# KiCad board GMWM Analysis Board.kicad_pcb (continued)
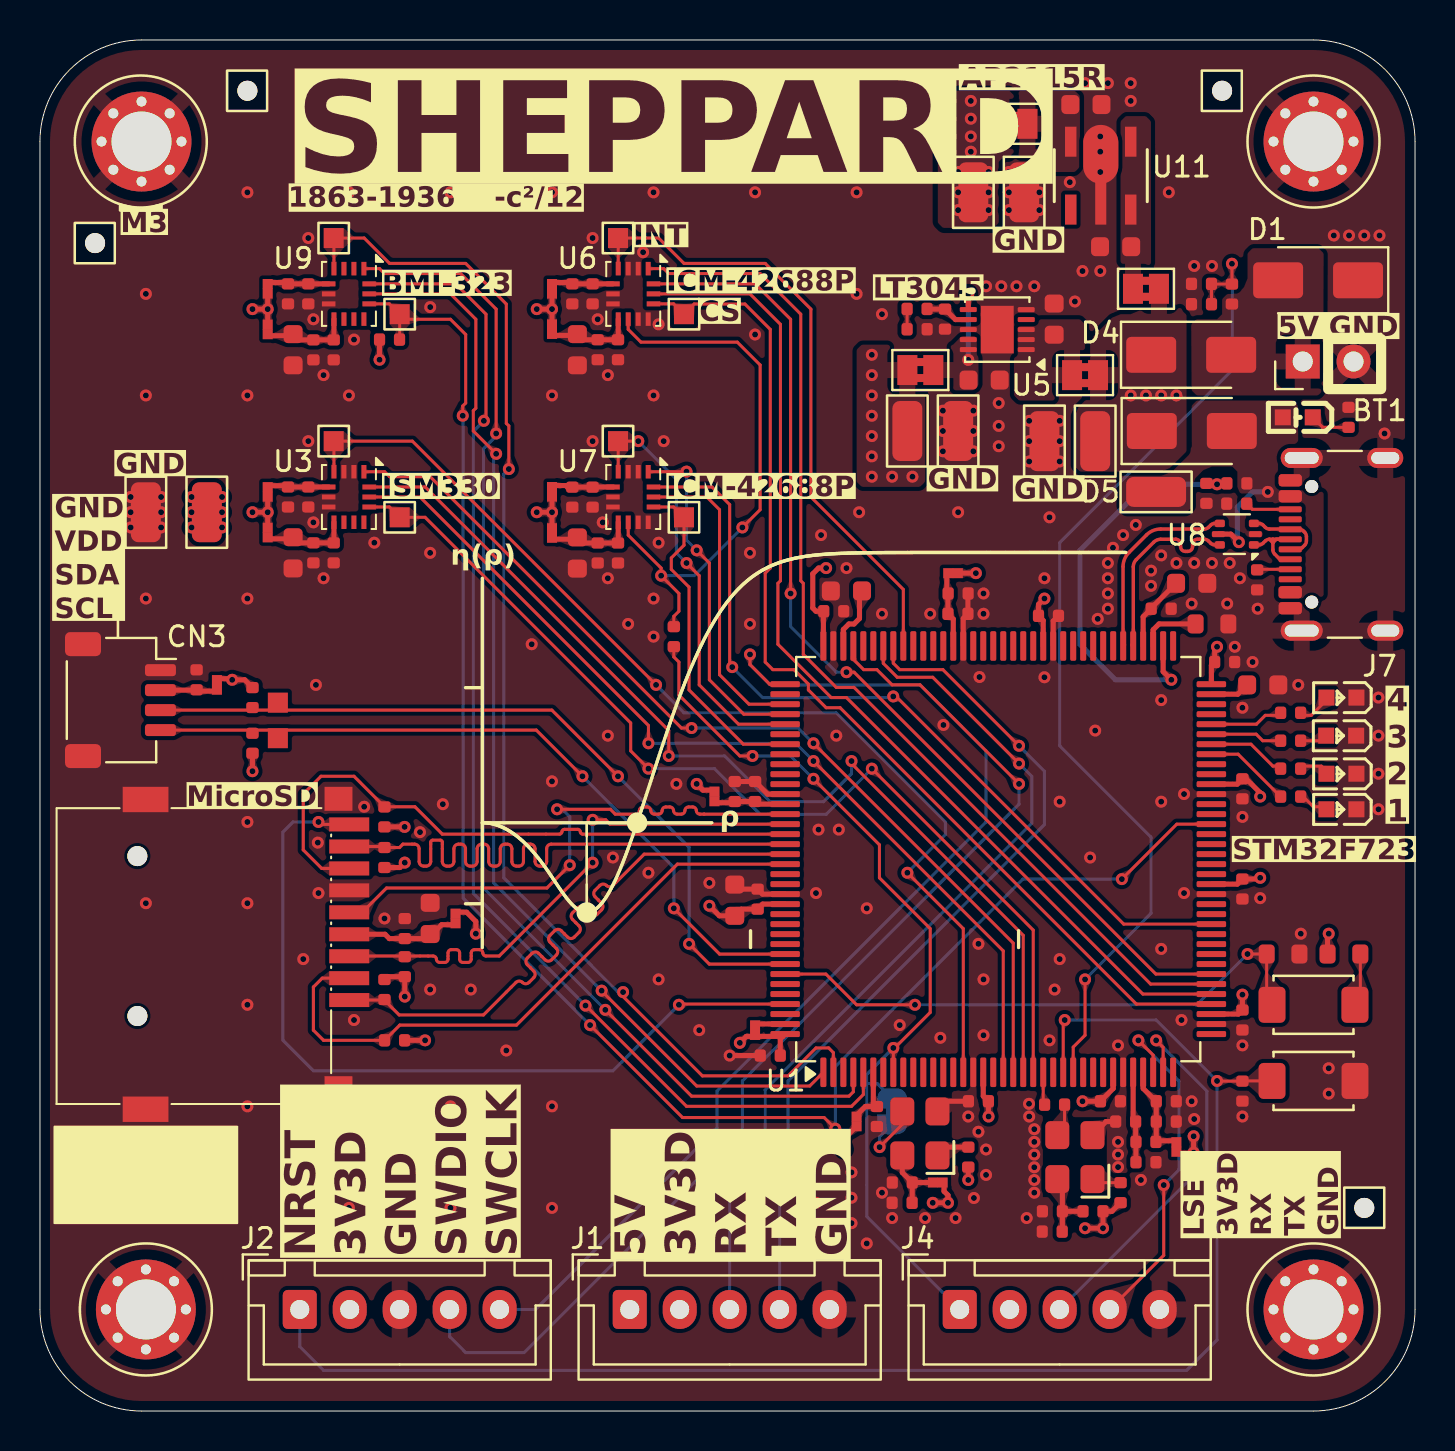
[diagram p0: board, top side]
## Library data of the parts (continued)
R10 = -: Datasheet: https://www.lcsc.com/datasheet/lcsc_datasheet_2205311900_UNI-ROYAL-Uniroyal-Elec-0402WGF2000TCE_C25087.pdf; Description: 62.5mW Thick Film Resistors 50V ±100ppm/°C ±1% 200Ω 0402 Chip Resistor - Surface Mount ROHS; LCSC: C25087; Stock: 581668; Price: 0.004USD; Process: SMT; Minimum Qty: 20; Attrition Qty: 10; Class: Basic Component; Category: Resistors,Chip Resistor - Surface Mount; Manufacturer: UNI-ROYAL(Uniroyal Elec); Part: 0402WGF2000TCE; Power(Watts): 62.5mW; Type: Thick Film Resistors; Overload Voltage (Max): 50V; Operating Temperature Range: -55°C~+155°C; Tolerance: ±1%; Temperature Coefficient: ±100ppm/°C; ki_fp_filters: R_*
R11 R12 = -: Datasheet: https://www.lcsc.com/datasheet/lcsc_datasheet_2206010045_UNI-ROYAL-Uniroyal-Elec-0402WGF5101TCE_C25905.pdf; Description: 62.5mW Thick Film Resistors 50V ±100ppm/°C ±1% 5.1kΩ 0402 Chip Resistor - Surface Mount ROHS; LCSC: C25905; Stock: 3534773; Price: 0.004USD; Process: SMT; Minimum Qty: 20; Attrition Qty: 10; Class: Basic Component; Category: Resistors,Chip Resistor - Surface Mount; Manufacturer: UNI-ROYAL(Uniroyal Elec); Part: 0402WGF5101TCE; Power(Watts): 62.5mW; Type: Thick Film Resistors; Overload Voltage (Max): 50V; Operating Temperature Range: -55°C~+155°C; Tolerance: ±1%; Temperature Coefficient: ±100ppm/°C; ki_fp_filters: R_*
R14 R15 R27 = -: Datasheet: https://www.lcsc.com/datasheet/lcsc_datasheet_2206010100_UNI-ROYAL-Uniroyal-Elec-0402WGF1003TCE_C25741.pdf; Description: 62.5mW Thick Film Resistors 50V ±100ppm/°C ±1% 100kΩ 0402 Chip Resistor - Surface Mount ROHS; LCSC: C25741; Stock: 6969783; Price: 0.004USD; Process: SMT; Minimum Qty: 20; Attrition Qty: 10; Class: Basic Component; Category: Resistors,Chip Resistor - Surface Mount; Manufacturer: UNI-ROYAL(Uniroyal Elec); Part: 0402WGF1003TCE; Power(Watts): 62.5mW; Type: Thick Film Resistors; Overload Voltage (Max): 50V; Operating Temperature Range: -55°C~+155°C; Tolerance: ±1%; Temperature Coefficient: ±100ppm/°C; ki_fp_filters: R_*
R16-R19 = -: Datasheet: https://www.lcsc.com/datasheet/lcsc_datasheet_2205311900_UNI-ROYAL-Uniroyal-Elec-0402WGF3300TCE_C25104.pdf; Description: 62.5mW Thick Film Resistors 50V ±100ppm/°C ±1% 330Ω 0402 Chip Resistor - Surface Mount ROHS; LCSC: C25104; Stock: 1159127; Price: 0.004USD; Process: SMT; Minimum Qty: 20; Attrition Qty: 10; Class: Basic Component; Category: Resistors,Chip Resistor - Surface Mount; Manufacturer: UNI-ROYAL(Uniroyal Elec); Part: 0402WGF3300TCE; Power(Watts): 62.5mW; Type: Thick Film Resistors; Overload Voltage (Max): 50V; Operating Temperature Range: -55°C~+155°C; Tolerance: ±1%; Temperature Coefficient: ±100ppm/°C; ki_fp_filters: R_*
R21-R25 = -: Datasheet: https://www.lcsc.com/datasheet/lcsc_datasheet_2206010100_UNI-ROYAL-Uniroyal-Elec-0402WGF4702TCE_C25792.pdf; Description: 62.5mW Thick Film Resistors 50V ±100ppm/°C ±1% 47kΩ 0402 Chip Resistor - Surface Mount ROHS; LCSC: C25792; Stock: 1792808; Price: 0.004USD; Process: SMT; Minimum Qty: 20; Attrition Qty: 10; Class: Basic Component; Category: Resistors,Chip Resistor - Surface Mount; Manufacturer: UNI-ROYAL(Uniroyal Elec); Part: 0402WGF4702TCE; Power(Watts): 62.5mW; Type: Thick Film Resistors; Overload Voltage (Max): 50V; Operating Temperature Range: -55°C~+155°C; Tolerance: ±1%; Temperature Coefficient: ±100ppm/°C; ki_fp_filters: R_*
R26 = -: Datasheet: https://www.lcsc.com/datasheet/lcsc_datasheet_2205311900_UNI-ROYAL-Uniroyal-Elec-0402WGF4700TCE_C25117.pdf; Description: 62.5mW Thick Film Resistors 50V ±100ppm/°C ±1% 470Ω 0402 Chip Resistor - Surface Mount ROHS; LCSC: C25117; Stock: 1007760; Price: 0.004USD; Process: SMT; Minimum Qty: 20; Attrition Qty: 10; Class: Basic Component; Category: Resistors,Chip Resistor - Surface Mount; Manufacturer: UNI-ROYAL(Uniroyal Elec); Part: 0402WGF4700TCE; Power(Watts): 62.5mW; Type: Thick Film Resistors; Overload Voltage (Max): 50V; Operating Temperature Range: -55°C~+155°C; Tolerance: ±1%; Temperature Coefficient: ±100ppm/°C; ki_fp_filters: R_*
R28 R29 = -: Datasheet: https://www.lcsc.com/datasheet/lcsc_datasheet_2206010045_UNI-ROYAL-Uniroyal-Elec-0402WGF4701TCE_C25900.pdf; Description: 62.5mW Thick Film Resistors 50V ±100ppm/°C ±1% 4.7kΩ 0402 Chip Resistor - Surface Mount ROHS; LCSC: C25900; Stock: 7644059; Price: 0.004USD; Process: SMT; Minimum Qty: 20; Attrition Qty: 10; Class: Basic Component; Category: Resistors,Chip Resistor - Surface Mount; Manufacturer: UNI-ROYAL(Uniroyal Elec); Part: 0402WGF4701TCE; Power(Watts): 62.5mW; Type: Thick Film Resistors; Overload Voltage (Max): 50V; Operating Temperature Range: -55°C~+155°C; Tolerance: ±1%; Temperature Coefficient: ±100ppm/°C; ki_fp_filters: R_*
S1 S2 = -: Datasheet: https://www.lcsc.com/datasheet/lcsc_datasheet_2304140030_XUNPU-TS-1088-AR02016_C720477.pdf; Description: Without 50mA 4mm 100MΩ 100000 Times 12V 160gf 3mm 2mm Round Button Standing paste SPST SMD Tactile Switches ROHS; LCSC: C720477; Stock: 346801; Price: 0.044USD; Process: SMT; Minimum Qty: 5; Attrition Qty: 4; Class: Basic Component; Category: Switches,Tactile Switches; Manufacturer: XUNPU; Part: TS-1088-AR02016; Switch Length: 4mm; Voltage Rating (Dc): 12V; With Lamp: No; Operating Force: 160gf@±50gf; Actuator/Cap Color: Black; Mechanical Life: 100000 Times; Strike Gundam: NO; Circuit: SPST; Switch Height: 2mm; Actuator Style: Round Button; Switch Width: 3mm; Contact Current: 50mA; Operating Temperature: -30°C~+80°C; Mounting Style: Brick nogging; Insulation Resistance: 100MΩ; Pin Style: SMDSplicing
TIE2-TIE21 = -: Specifications: DNP; Manufacturer: DNP; Part Number: Do Not Place
TP5-TP10 TP13 TP15 TP17 TP24-TP33 = -: Description: test point (alternative probe-style design); ki_fp_filters: Pin* Test*
U1 = -: Datasheet: https://www.st.com/resource/en/datasheet/stm32f723ze.pdf; Description: STMicroelectronics Arm Cortex-M7 MCU, 512KB flash, 256KB RAM, 216 MHz, 1.7-3.6V, 112 GPIO, LQFP144; KiLib_Generator: package/gullwing; LCSC: C1340305; ki_fp_filters: LQFP*20x20mm*P0.5mm*
U2 = -: Datasheet: https://wmsc.lcsc.com/wmsc/upload/file/pdf/v2/lcsc/2303281800_HCI-1532H4-32K768JWPDTSNL_C5383164.pdf; Description: -40℃~+85℃ 1.8V~3.3V 10mA 32.768kHz HCMOS ±10ppm ±15ppm SMD3225-4P Crystal Oscillators ROHS; LCSC: C5383164; Manufacturer: HCI
U3 = -: Datasheet: https://www.st.com/resource/en/datasheet/ism330dhcx.pdf; Description: iNEMO inertial module with embedded Machine Learning Core: always-on 3D accelerometer and 3D gyroscope with digital output for industrial applications, LGA-14; LCSC: C2655101; ki_fp_filters: *LGA*3x2.5mm*P0.5mm*LayoutBorder3x4y*
U5 = -: Datasheet: https://www.analog.com/media/en/technical-documentation/data-sheets/3045fa.pdf; Description: 500mA, Adjustable, Ultralow Noise, Ultrahigh PSRR Linear Regulator, DFN-10; KiLib_Generator: package/no_lead; LCSC: C514420; ki_fp_filters: DFN*1EP*3x3mm*P0.5mm*
U6 U7 = -: Datasheet: https://jlcpcb.com/api/file/downloadByFileSystemAccessId/8588902275431469056; Description: -40℃~+85℃ 1.71V~3.6V 16bit 2KB 7.5uA IMU (accelerometer + gyroscope) SPI、I2C X,Y,Z X,Y,Z ±16g ±2000dps Motion Event Detection, Synchronization, Timestamp Support LGA-14(2.5x3) Accelerometers ROHS; LCSC: C1850418; Manufacturer: TDK InvenSense
U8 = -: Datasheet: https://www.st.com/resource/en/datasheet/usblc6-2.pdf; Description: Very low capacitance ESD protection diode, 2 data-line, SOT-666; LCSC: C15999; ki_fp_filters: SOT?666*
U9 = -: Datasheet: https://www.lcsc.com/datasheet/lcsc_datasheet_2410121717_Bosch-Sensortec-BMI323_C5368700.pdf; Description: -40℃~+85℃ IMU (accelerometer + gyroscope) Motion event detection LGA-14 Accelerometers ROHS; LCSC: C5368700; Manufacturer: Bosch Sensortec
U11 = -: Datasheet: https://www.diodes.com/assets/Datasheets/AP2115.pdf; Description: SOT-89-5 3.3V 1A low dropout voltage regulator with enable, Alternate KiCad Library; LCSC: C460316
X1 = -: Datasheet: https://datasheet.lcsc.com/lcsc/2304140030_Abracon-LLC-ASDM1-24-000MHZ-LC-T_C1987235.pdf; Description: -40℃~+85℃ 24MHz 3.3V 7mA ±50ppm SMD2520-4P Programmable Oscillators ROHS; LCSC: C1987235; Manufacturer: Abracon LLC; Manufacturer Part: ASDM1-24.000MHZ-LC-T

## Footprints (pads in the part's own frame, mm; a bottom-side part is the same pattern mirrored in y, then rotated)
0603_Green_509-620mcd
  rect 0.8x0.8 smd: 1(-0.749,0) 2(0.749,0)
AP2115R5-3_3TRG1
  rect 1.5x0.574 smd: 1(1.697,-1.5) 3(1.697,1.5) 4(-1.697,1.5) 5(-1.697,-1.5)
  oval 2.94x1.76 smd: 2(-1.068,0)
  rect 2.209x0.552 smd: 2(1.343,0)
Bosch_LGA-14_3x2.5mm_P0.5mm
  rect 0.675x0.25 smd: 1(-1.262,0.75) 2(-1.262,0.25) 3(-1.262,-0.25) 4(-1.262,-0.75) 8(1.262,-0.75) 9(1.262,-0.25) 10(1.262,0.25) 11(1.262,0.75)
  rect 0.25x0.675 smd: 5(-0.5,-1.012) 6(0,-1.013) 7(0.5,-1.012) 12(0.5,1.012) 13(0,1.013) 14(-0.5,1.012)
C_0402
  rrect 0.56x0.62 smd: 1(-0.5,0) 2(0.5,0)
C_0603
  rrect 0.9x0.95 smd: 1(-0.78,0) 2(0.78,0)
D_SMA
  rrect 2.5x1.8 smd: 1(-2,0) 2(2,0)
DFN-10-1EP_3x3mm_P0.5mm_EP1.65x2.38mm
  rrect 0.67x0.96 smd: (-0.41,0.595) (-0.41,-0.595) (0.41,0.595) (0.41,-0.595)
  rrect 0.85x0.25 smd: 1(-1.45,1) 2(-1.45,0.5) 3(-1.45,0) 4(-1.45,-0.5) 5(-1.45,-1) 6(1.45,-1) 7(1.45,-0.5) 8(1.45,0) 9(1.45,0.5) 10(1.45,1)
  rect 1.65x2.38 smd: 11(0,0)
Hole, 3mm
  round 0.6 hole 0.5: 1(-2,0) 1(-1.41,1.41) 1(-1.41,-1.41) 1(0,2) 1(0,-2) 1(1.41,1.41) 1(1.41,-1.41) 1(2,0)
  round 5 hole 3: 1(0,0)
Hole_Tooling_JLCPCB
  round 1 hole 1.152 unplated: (0,0)
JST_SH_SM04B-SRSS-TB_1x04-1MP_P1.00mm_Horizontal
  rrect 0.6x1.55 smd: 1(-1.5,2) 2(-0.5,2) 3(0.5,2) 4(1.5,2)
  rrect 1.2x1.8 smd: 5(-2.8,-1.875) 6(2.8,-1.875)
JST_XH_B5B-XH-A_1x05_P2.50mm_Vertical
  rrect 1.7x1.95 hole 0.95: 1(0,0)
  oval 1.7x1.95 hole 0.95: 2(2.5,0) 3(5,0) 4(7.5,0) 5(10,0)
JUMPER_SMD_1x2_tiny_shorted
  rect 0.5x0.5 smd: 1(-0.24,0) 2(0.24,0)
KT-0603R
  rect 0.8x0.8 smd: 1(0.75,0) 2(-0.75,0)
LQFP-144_20x20mm_P0.5mm
  rrect 1.475x0.3 smd: 1(-10.662,8.75) 2(-10.662,8.25) 3(-10.663,7.75) 4(-10.662,7.25) 5(-10.662,6.75) 6(-10.662,6.25) 7(-10.662,5.75) 8(-10.662,5.25) 9(-10.662,4.75) 10(-10.662,4.25) 11(-10.662,3.75) 12(-10.662,3.25) 13(-10.662,2.75) 14(-10.662,2.25) 15(-10.662,1.75) 16(-10.663,1.25) 17(-10.662,0.75) 18(-10.662,0.25) 19(-10.662,-0.25) 20(-10.662,-0.75) 21(-10.663,-1.25) 22(-10.662,-1.75) 23(-10.662,-2.25) 24(-10.662,-2.75) 25(-10.662,-3.25) 26(-10.662,-3.75) 27(-10.662,-4.25) 28(-10.662,-4.75) 29(-10.662,-5.25) 30(-10.662,-5.75) 31(-10.662,-6.25) 32(-10.662,-6.75) 33(-10.662,-7.25) 34(-10.663,-7.75) 35(-10.662,-8.25) 36(-10.662,-8.75) 73(10.662,-8.75) 74(10.662,-8.25) 75(10.663,-7.75) 76(10.662,-7.25) 77(10.662,-6.75) 78(10.662,-6.25) 79(10.662,-5.75) 80(10.662,-5.25) 81(10.662,-4.75) 82(10.662,-4.25) 83(10.662,-3.75) 84(10.662,-3.25) 85(10.662,-2.75) 86(10.662,-2.25) 87(10.662,-1.75) 88(10.663,-1.25) 89(10.662,-0.75) 90(10.662,-0.25) 91(10.662,0.25) 92(10.662,0.75) 93(10.663,1.25) 94(10.662,1.75) 95(10.662,2.25) 96(10.662,2.75) 97(10.662,3.25) 98(10.662,3.75) 99(10.662,4.25) 100(10.662,4.75) 101(10.662,5.25) 102(10.662,5.75) 103(10.662,6.25) 104(10.662,6.75) 105(10.662,7.25) 106(10.663,7.75) 107(10.662,8.25) 108(10.662,8.75)
  rrect 0.3x1.475 smd: 37(-8.75,-10.662) 38(-8.25,-10.662) 39(-7.75,-10.663) 40(-7.25,-10.662) 41(-6.75,-10.662) 42(-6.25,-10.662) 43(-5.75,-10.662) 44(-5.25,-10.662) 45(-4.75,-10.662) 46(-4.25,-10.662) 47(-3.75,-10.662) 48(-3.25,-10.662) 49(-2.75,-10.662) 50(-2.25,-10.662) 51(-1.75,-10.662) 52(-1.25,-10.663) 53(-0.75,-10.662) 54(-0.25,-10.662) 55(0.25,-10.662) 56(0.75,-10.662) 57(1.25,-10.663) 58(1.75,-10.662) 59(2.25,-10.662) 60(2.75,-10.662) 61(3.25,-10.662) 62(3.75,-10.662) 63(4.25,-10.662) 64(4.75,-10.662) 65(5.25,-10.662) 66(5.75,-10.662) 67(6.25,-10.662) 68(6.75,-10.662) 69(7.25,-10.662) 70(7.75,-10.663) 71(8.25,-10.662) 72(8.75,-10.662) 109(8.75,10.662) 110(8.25,10.662) 111(7.75,10.663) 112(7.25,10.662) 113(6.75,10.662) 114(6.25,10.662) 115(5.75,10.662) 116(5.25,10.662) 117(4.75,10.662) 118(4.25,10.662) 119(3.75,10.662) 120(3.25,10.662) 121(2.75,10.662) 122(2.25,10.662) 123(1.75,10.662) 124(1.25,10.663) 125(0.75,10.662) 126(0.25,10.662) 127(-0.25,10.662) 128(-0.75,10.662) 129(-1.25,10.663) 130(-1.75,10.662) 131(-2.25,10.662) 132(-2.75,10.662) 133(-3.25,10.662) 134(-3.75,10.662) 135(-4.25,10.662) 136(-4.75,10.662) 137(-5.25,10.662) 138(-5.75,10.662) 139(-6.25,10.662) 140(-6.75,10.662) 141(-7.25,10.662) 142(-7.75,10.663) 143(-8.25,10.662) 144(-8.75,10.662)
OSC-SMD_4P-L3.2-W2.5-BL
  rrect 1.4x1.2 smd: 1(-1.1,-0.88) 2(1.1,-0.88) 3(1.1,0.88) 4(-1.1,0.88)
PinHeader_1x02_P2.54mm_Vertical
  rect 1.7x1.7 hole 1: 1(0,0)
  round 1.7 hole 1: 2(0,-2.54)
R_0402
  rrect 0.56x0.62 smd: 1(-0.5,0) 2(0.5,0)
R_0603
  rrect 0.8x0.95 smd: 1(-0.82,0) 2(0.82,0)
SolderJumper-2_P1.3mm_Bridged2Bar_Pad1.0x1.5mm
  rect 1x1.5 smd: 1(-0.65,0) 2(0.65,0)
SolderJumper-2_P1.3mm_Bridged2Bar_Pad1.0x1.5mm#2
  rect 1x1.5 smd: 1(-0.65,0) 2(0.65,0)
SolderJumper-2_P1.3mm_Bridged_RoundedPad1.0x1.5mm
  custom 1x1.5 smd: 1(-0.65,0) 2(0.65,0)
SolderWirePad_1x01_SMD_1.5x3mm
  rrect 1.5x3 smd: 1(0,0)
SOT-666
  rrect 0.5x0.375 smd: 1(-0.85,0.537) 3(-0.85,-0.537) 4(0.85,-0.537) 6(0.85,0.537)
  rrect 0.65x0.3 smd: 2(-0.925,0) 5(0.925,0)
SW_TS-1088-AR02016
  rrect 1.35x1.8 smd: 1(-2.075,0) 2(2.075,0)
TestPoint_Pad_04
  rect 1x1 smd: 1(0,0)
TF-015
  round 1 hole 1 unplated: (-4.897,-5.507) (3.103,-5.504)
  rect 0.7x2 smd: 1(2.303,5.095) 2(1.21,5.093) 3(0.113,5.095) 4(-0.986,5.095) 5(-2.085,5.095) 6(-3.183,5.095) 7(-4.28,5.095) 8(-5.378,5.095) 9(-6.482,5.095)
  rect 1.2x1.397 smd: SH(-7.765,4.557)
  rect 1.27x2.286 smd: SH(-7.729,-5.095) SH(7.765,-5.095)
  rect 1.778x1.397 smd: SH(7.003,4.557)
USB_C_Receptacle_GCT_USB4105-xx-A_16P_TopMnt_Horizontal
  round 0.65 hole 0.65 unplated: (-2.89,2.605) (2.89,2.605)
  rrect 0.6x1.15 smd: A1(-3.2,3.68) A4(-2.4,3.68) A9(2.4,3.68) A12(3.2,3.68) B1(3.2,3.68) B4(2.4,3.68) B9(-2.4,3.68) B12(-3.2,3.68)
  rrect 0.3x1.15 smd: A5(-1.25,3.68) A6(-0.25,3.68) A7(0.25,3.68) A8(1.25,3.68) B5(1.75,3.68) B6(0.75,3.68) B7(-0.75,3.68) B8(-1.75,3.68)
  oval 1x2.1 hole 0.6x1.7: SH(-4.32,3.105) SH(4.32,3.105)
  oval 1x1.8 hole 0.6x1.4: SH(-4.32,-1.075) SH(4.32,-1.075)

## Nets
+3V3: R20.1 TIE8.2 TIE9.2 TIE10.2 TIE11.2 TIE16.2 TIE18.2 TIE19.2 TIE20.2 TIE21.2 TP9.1 TP25.1
+3V3D: C22.1 C23.1 C24.1 C25.1 C26.1 C27.1 C28.1 C29.1 C30.1 C31.1 C33.1 J1.2 J2.2 J4.2 R2.2 R5.2 R7.1 R8.2 R21.1 R22.1 R23.1 R24.1 R25.1 R28.1 R29.1 TIE2.1 TIE3.1 TIE4.1 TIE5.2 TIE6.2 TIE7.1 TIE13.2 TIE14.2 TIE17.1 TP13.1 U1.17 U1.30 U1.39 U1.52 U1.62 U1.72 U1.86 U1.108 U1.131 U1.144
+5V: D4.1 D5.1 J1.1 TIE12.2 TIE15.2 TP7.1
/Connectors & Power/3V3_{AP2115}: C20.1 TIE13.1 U11.5
/Connectors & Power/3V3_{LT3045}: C13.1 TIE16.1 U5.6 U5.9 U5.10
/Connectors & Power/5V_{AP2115}: C18.1 TIE12.1 U11.3 U11.4
/Connectors & Power/5V_{LT3045}: C12.1 TIE15.1 U5.1 U5.2 U5.3
/Connectors & Power/5V_{VBAT}: BT1.1 D1.2 D4.2 R15.1
/Connectors & Power/VBUS: D5.2 J7.A4 J7.A9 J7.B4 J7.B9 LED6.1 R13.1 TP5.1 U8.5
/Connectors & Power/VDD_{I2C}: C15.1 CN3.2 TIE14.1
/MCU STM32F723/V12PHYHS: C2.1 C6.1 U1.76
/MCU STM32F723/VBAT: C41.1 TIE7.2 U1.6
/MCU STM32F723/VDD_HSE: C10.1 C11.1 R7.2 X1.4
/MCU STM32F723/VDD_LSE: C8.1 C9.1 TIE6.1 U2.4
/MCU STM32F723/VDD_{SD}: C16.1 C17.1 J3.4 TIE17.2
/MCU STM32F723/VDDA_MCU: C39.1 C40.1 R4.2 TIE2.2 U1.33
/MCU STM32F723/VDDSDMMC: C37.1 C38.1 TIE3.2 U1.121
/MCU STM32F723/VDDUSB: C35.1 C36.1 TIE4.2 U1.95
/Sensors/VDD_{BMI}: C54.1 C55.1 C56.1 TIE21.1 U9.8
/Sensors/VDD_{IMU1}: C21.1 C32.1 C34.1 TIE8.1 U6.8
/Sensors/VDD_{IMU2}: C44.1 C45.1 C46.1 TIE10.1 U7.8
/Sensors/VDD_{ISM}: C49.1 C50.1 C52.1 TIE18.1 U3.8
/Sensors/VDDIO_{BMI}: C53.1 C58.1 TIE20.1 U9.5
/Sensors/VDDIO_{IMU1}: C42.1 C43.1 TIE9.1 U6.5
/Sensors/VDDIO_{IMU2}: C47.1 C48.1 TIE11.1 U7.5
/Sensors/VDDIO_{ISM}: C51.1 C57.1 TIE19.1 U3.5
GND: BT1.2 C1.2 C2.2 C3.2 C4.2 C5.2 C6.2 C7.2 C8.2 C9.2 C10.2 C11.2 C12.2 C13.2 C14.2 C15.2 C16.2 C17.2 C18.2 C19.2 C20.2 C21.2 C22.2 C23.2 C24.2 C25.2 C26.2 C27.2 C28.2 C29.2 C30.2 C31.2 C32.2 C33.2 C34.2 C35.2 C36.2 C37.2 C38.2 C39.2 C40.2 C41.2 C42.2 C43.2 C44.2 C45.2 C46.2 C47.2 C48.2 C49.2 C50.2 C51.2 C52.2 C53.2 C54.2 C55.2 C56.2 C57.2 C58.2 CN3.1 CN3.5 CN3.6 D1.1 H5.1 H6.1 H7.1 H8.1 J1.5 J2.3 J3.6 J3.SH J4.5 J7.A1 J7.A12 J7.B1 J7.B12 J7.SH LED7.1 LED8.1 LED9.1 LED10.1 R1.2 R3.2 R10.2 R11.2 R12.2 R14.2 R26.2 R27.2 S1.2 TP6.1 TP8.1 TP10.1 TP24.1 U1.16 U1.31 U1.38 U1.51 U1.61 U1.85 U1.94 U1.107 U1.120 U1.130 U2.2 U3.2 U3.3 U3.6 U3.7 U5.5 U5.8 U5.11 U6.2 U6.3 U6.6 U6.7 U6.10 U6.11 U7.2 U7.3 U7.6 U7.7 U7.10 U7.11 U8.2 U9.6 U9.7 U11.2 X1.2
VBAT_{SENSE}: C19.1 R15.2 R27.1 U1.26
/Connectors & Power/CC_{1}: J7.A5 R11.1
/Connectors & Power/CC_{2}: J7.B5 R12.1
/Connectors & Power/SET: C14.1 R9.1 U5.7
/Connectors & Power/USB_DN: J7.A7 J7.B7 U8.1
/Connectors & Power/USB_DP: J7.A6 J7.B6 U8.3
/MCU STM32F723/BOOT0: R1.1 S2.1 U1.138
/MCU STM32F723/IN_HSE: R6.2 U1.23
/MCU STM32F723/IN_LSE_{RAW}: JP1.2 U2.3
/MCU STM32F723/OUT_HSE: R6.1 X1.3
/MCU STM32F723/PA2: U1.36
/MCU STM32F723/PA3: U1.37
/MCU STM32F723/PA11: U1.103
/MCU STM32F723/PA12: U1.104
/MCU STM32F723/PA15: U1.110
/MCU STM32F723/PB0: U1.46
/MCU STM32F723/PB1: U1.47
/MCU STM32F723/PB3: U1.133
/MCU STM32F723/PB4: U1.134
/MCU STM32F723/PB5: U1.135
/MCU STM32F723/PB8: U1.139
/MCU STM32F723/PB9: U1.140
/MCU STM32F723/PB10: U1.69
/MCU STM32F723/PB11: U1.70
/MCU STM32F723/PB12: U1.73
/MCU STM32F723/PC1: U1.27
/MCU STM32F723/PC2: U1.28
/MCU STM32F723/PC3: U1.29
/MCU STM32F723/PC4: U1.44
/MCU STM32F723/PC5: U1.45
/MCU STM32F723/PC6: U1.96
/MCU STM32F723/PC7: U1.97
/MCU STM32F723/PC8: U1.98
/MCU STM32F723/PC9: U1.99
/MCU STM32F723/PC13: U1.7
/MCU STM32F723/PC15: U1.9
/MCU STM32F723/PD0: U1.114
/MCU STM32F723/PD2: U1.116
/MCU STM32F723/PD3: U1.117
/MCU STM32F723/PD4: U1.118
/MCU STM32F723/PD5: U1.119
/MCU STM32F723/PD8: U1.79
/MCU STM32F723/PD9: U1.80
/MCU STM32F723/PD10: U1.81
/MCU STM32F723/PD11: U1.82
/MCU STM32F723/PD12: U1.83
/MCU STM32F723/PD13: U1.84
/MCU STM32F723/PD14: U1.87
/MCU STM32F723/PD15: U1.88
/MCU STM32F723/PDR_ON: TIE5.1 U1.143
/MCU STM32F723/PE1: U1.142
/MCU STM32F723/PE4: U1.3
/MCU STM32F723/PE8: U1.59
/MCU STM32F723/PE9: U1.60
/MCU STM32F723/PE10: U1.63
/MCU STM32F723/PE11: U1.64
/MCU STM32F723/PF0: U1.10
/MCU STM32F723/PF1: U1.11
/MCU STM32F723/PF2: U1.12
/MCU STM32F723/PF3: U1.13
/MCU STM32F723/PF4: U1.14
/MCU STM32F723/PF6: U1.18
/MCU STM32F723/PF11: U1.49
/MCU STM32F723/PF12: U1.50
/MCU STM32F723/PF13: U1.53
/MCU STM32F723/PF14: U1.54
/MCU STM32F723/PF15: U1.55
/MCU STM32F723/PG0: U1.56
/MCU STM32F723/PG1: U1.57
/MCU STM32F723/PG2: U1.89
/MCU STM32F723/PG3: U1.90
/MCU STM32F723/PG4: U1.91
/MCU STM32F723/PG5: U1.92
/MCU STM32F723/PG8: U1.93
/MCU STM32F723/PG13: U1.128
/MCU STM32F723/PG14: U1.129
/MCU STM32F723/PG15: U1.132
/MCU STM32F723/PH1: U1.24
/MCU STM32F723/REXTPHYHS: R3.1 U1.75
/MCU STM32F723/VCAP_1: C5.1 U1.71
/MCU STM32F723/VCAP_2: C4.1 U1.106
/MCU STM32F723/VREF+: C3.1 C7.1 R4.1 U1.32
CD: J3.9 U1.141
CLK_{SD}: J3.5 U1.122
CMD: J3.3 R23.2 U1.123
CS_{1}: TP29.1 U1.40 U6.12
CS_{2}: TP28.1 U1.115 U7.12
CS_{3}: TP30.1 U1.22 U3.12
CS_{4}: R20.2 TP31.1 U1.58 U9.12
DAT0: J3.7 R24.2 U1.124
DAT1: J3.8 R25.2 U1.125
DAT2: J3.1 R21.2 U1.126
DAT3: J3.2 R22.2 U1.127
IN_LSE: J4.1 JP1.1 R30.2 U1.8
IN_LSE_SENSOR: R30.1 U6.9 U7.9
INT_{1.1}: TP15.1 U1.100 U6.4
INT_{2.1}: TP17.1 U1.113 U7.4
INT_{3.1}: TP26.1 U1.15 U3.4
INT_{4.1}: TP27.1 U1.2 U9.4
LED_{1}: R16.1 U1.65
LED_{2}: R17.1 U1.66
LED_{3}: R18.1 U1.67
LED_{4}: R19.1 U1.68
MISO_{1}: U1.42 U6.1
MISO_{2}: U1.112 U7.1
MISO_{3}: U1.20 U3.1
MISO_{4}: U1.4 U9.1
MOSI_{1}: U1.43 U6.14
MOSI_{2}: U1.48 U7.14
MOSI_{3}: U1.21 U3.14
MOSI_{4}: U1.5 U9.14
NRST: C1.1 J2.1 S1.1 U1.25
RX_{1}: J4.3 U1.35
RX_{2}: J1.3 U1.102
SCK_{1}: U1.41 U6.13
SCK_{2}: U1.111 U7.13
SCK_{3}: U1.19 U3.13
SCK_{4}: U1.1 U9.13
SCL: CN3.4 R28.2 TP32.1 U1.136
SDA: CN3.3 R29.2 TP33.1 U1.137
SWCLK: J2.5 U1.109
SWDIO: J2.4 U1.105
TX_{1}: J4.4 U1.34
TX_{2}: J1.4 U1.101
USB_D+: U1.78 U8.4
USB_D-: U1.77 U8.6
USB_{VBUS}: R13.2 R14.1 U1.74
Net-(LED6-K): LED6.2 R26.1
Net-(LED7-A): LED7.2 R16.2
Net-(LED8-A): LED8.2 R17.2
Net-(LED9-A): LED9.2 R18.2
Net-(LED10-A): LED10.2 R19.2
Net-(R10-Pad1): R9.2 R10.1
Net-(S2-B): R2.1 S2.2
Net-(U2-ED/NC): R5.1 U2.1
Net-(X1-Standby): R8.1 X1.1

Pads without a net: J7 A8 B8; U3 9 10 11; U5 4; U9 2 3 9 10 11; U11 1

## Via types
v1: diameter 0.6, hole 0.3, Top to Bottom, 361 vias

## Routing (per net, layer and track width the routed paths; a pad name or vN(x,y) marks a point on that pad's centre or on a via; arc(x,y) is an arc through that point)
+3V3: length 9.7
  Top w0.254: v1(25.62,55.12) 25.62,55.82 ; v1(25.62,55.12) 25.62,54.43 ; v1(25.62,55.12) v1(24.86,55.12) ; v1(11.39,44.96) v1(10.63,44.96) ; v1(11.39,44.96) 11.39,44.25 ; v1(11.39,44.96) 11.39,45.66 ; R20.1 v1(16.99,52.59) 16.98,52.58 ; v1(11.39,55.12) 11.39,54.41 ; v1(11.39,55.12) 11.39,55.82 ; v1(11.39,55.12) v1(10.63,55.12) ; v1(25.62,44.96) 25.62,44.23 ; v1(25.62,44.96) 25.62,45.67 ; v1(25.62,44.96) v1(24.86,44.96)
  vias: v1(7.58,45.72) v1(7.58,44.96) v1(7.58,44.2) v1(9.11,45.72) v1(9.11,44.96) v1(9.11,44.2) v1(41.62,52.83) v1(41.62,51.82) v1(41.62,50.8) v1(41.62,49.78) v1(41.62,48.77) v1(41.62,47.75) v1(41.62,46.74) v1(42.64,46.74) v1(43.65,46.74)
+3V3D: length 51.3
  Top w0.254: R29.1 10.24,36.58 v1(9.62,36.58) 9.56,36.63 8.85,36.63 ; v1(18.25,27.43) 18.01,27.19 R25.1 ; R24.1 v1(18.24,29.22) 18.25,29.21 ; R2.2 64.42,23.82 v1(64.48,23.88) ; 56.86,12.9 57.69,12.9 v1(57.72,12.93) v1(57.72,13.74) 57.62,13.84 ; v1(44.67,10.41) v1(45.43,10.41) 45.43,10.8 45.23,10.99 45.23,11.43 ; U1.17 47.2,15.75 C24.1 47.45,14.74 v1(47.46,14.73) ; v1(33.49,25.27) 33.99,24.77 C33.1 35.09,25.1 C22.1 36.16,25.36 U1.131 ; v1(21.81,23.88) 21.81,24.49 21.34,24.95 20.79,24.95 ; 37.17,18.74 35.34,18.74 v1(35.02,18.41) ; 37.17,18.74 37.04,18.61 C23.1 ; 37.17,18.74 U1.144 ; U1.39 59.96,19.86 C26.1 v1(60.16,20.83) ; 18.25,20.83 R23.1 17.38,21.73 R21.1 ; R5.2 v1(46.45,11.56) ; R22.1 v1(19.27,18.54) ; v1(46.83,41.91) 46,41.91 ; 40.86,14.17 40.79,14.17 40.22,13.61 v1(40.22,13.08) ; v1(52.29,9.14) v1(53.19,9.14) R7.1 53.63,9.99 R8.2 ; v1(52.16,15.49) C25.1 53.7,16.13 U1.30 ; v1(32.86,31.37) 33.17,31.05 33.75,31.05 ; U1.62 59.9,31.36 60.16,31.61 60.36,31.61 61.05,30.92 v1(61.05,30.73) ; U1.86 50.2,39.54 C30.1 49.96,40.34 v1(50.26,40.64) ; v1(61.05,26.67) 60.99,26.61 C27.1 59.91,26.36 U1.52 ; R28.1 v1(10.63,32) ; v1(39.33,42.16) 38.95,42.16 38.67,41.88 38.67,40.16 38.83,40 C31.1 39.2,39.99 U1.108 ; U1.72 58.61,37.3 C29.1 58.77,38.11 v1(58.89,38.23)
  vias: v1(18.25,20.73) v1(45.56,65.53) v1(45.56,64.64) v1(45.56,63.75) v1(45.56,62.99) v1(45.94,61.98) v1(45.94,60.96) v1(45.94,60.07) v1(46.57,65.53) v1(46.57,64.64) v1(46.57,63.75) v1(46.57,62.99) v1(47.46,61.98) v1(47.46,60.96) v1(47.46,60.07)
+5V: length 95.7
  In2.Cu w1.016: J1.1 29.51,2.46 30.95,1.02 58.13,1.02 59.65,2.54 59.65,6.6 67.02,13.97 67.02,27.69 64.99,29.72 64.99,49.28 63.46,50.8 v1(54.57,50.8)
  vias: v1(55.34,50.8) v1(56.1,50.8) v1(56.86,50.8)
/Connectors & Power/3V3_{LT3045}: length 4.1
  Top w0.254: v1(46.45,55.88) 46.45,55.09
  Bottom w0.254: v1(46.45,52.58) v1(46.45,55.88)
/Connectors & Power/VBUS: length 4.8
  Top w0.254: U8.5 59.58,43.86 v1(59.99,43.46)
  Bottom w0.254: v1(61.43,45.97) 60.67,45.97 59.91,45.21 59.91,43.54 v1(59.99,43.46)
/Connectors & Power/VDD_{I2C}: length 2.9
  Top w0.254: CN3.2 7.82,36.06 C15.1 7.9,36.01 8.85,36.01
/MCU STM32F723/V12PHYHS: length 3.8
  Top w0.254: U1.76 55.2,39.73 C2.1 55.6,40.16 C6.1
/MCU STM32F723/VBAT: length 3
  Top w0.254: U1.6 41.7,15.41 C41.1 41.29,15.23 40.86,14.8
/MCU STM32F723/VDD_HSE: length 3.8
  Top w0.254: C11.1 51.15,8.98 C10.1 ; C11.1 R7.2 ; C11.1 51.15,11.35 X1.4
/MCU STM32F723/VDD_LSE: length 3.5
  Top w0.254: C8.1 43.64,10.42 C9.1 ; C9.1 44.61,11.43 ; C9.1 43.14,11.93 43.14,12.79
/MCU STM32F723/VDD_{SD}: length 5.7
  Top w0.254: J3.4 17.27,23.85 17.48,23.63 C16.1 19.29,23.63 C17.1 19.63,23.86 20.1,24.33 20.79,24.33
/MCU STM32F723/VDDA_MCU: length 4.8
  Top w0.254: U1.33 55.2,16.13 55.84,15.49 C40.1 C39.1 55.85,13.48 R4.2 55.89,13.52 56.86,13.52
/MCU STM32F723/VDDSDMMC: length 3.6
  Top w0.254: 33.75,30.43 34.7,30.43 C37.1 C38.1 35.91,30.36 U1.121
/MCU STM32F723/VDDUSB: length 3.8
  Top w0.254: U1.95 45.7,39.61 C36.1 45.43,40.89 C35.1 45.37,40.96 45.37,41.91
/Sensors/VDD_{BMI}: length 4.5
  Top w0.254: 11.39,53.79 12.35,53.79 12.43,53.87 C56.1 12.95,53.58 C55.1 C54.1 14.71,53.59 U9.8
/Sensors/VDD_{IMU1}: length 4.5
  Top w0.254: U6.8 28.93,53.6 C34.1 C21.1 27.17,53.59 C32.1 26.83,53.8 25.62,53.8
/Sensors/VDD_{IMU2}: length 4.5
  Top w0.254: U7.8 28.93,43.43 C46.1 C45.1 27.17,43.42 C44.1 26.8,43.61 25.62,43.61
/Sensors/VDD_{ISM}: length 4.5
  Top w0.254: U3.8 14.71,43.44 C50.1 C52.1 12.94,43.43 C49.1 12.59,43.63 11.39,43.63
/Sensors/VDDIO_{BMI}: length 3.1
  Top w0.254: U9.5 C58.1 C53.1 12.34,56.45 11.39,56.45
/Sensors/VDDIO_{IMU1}: length 3.1
  Top w0.254: U6.5 C43.1 C42.1 26.57,56.45 25.62,56.45
/Sensors/VDDIO_{IMU2}: length 3.1
  Top w0.254: U7.5 27.66,46.22 C48.1 C47.1 26.4,46.21 26.32,46.29 25.62,46.29
/Sensors/VDDIO_{ISM}: length 3.1
  Top w0.254: U3.5 C51.1 C57.1 12.34,46.29 11.39,46.29
GND: length 14.6
  Top w0.254: U1.120 36.41,30.86 C38.2 C37.2 ; C23.2 v1(34.51,17.78) ; U1.130 36.15,25.86 C22.2 34.99,26.1 C33.2 ; U2.2 45.41,15.49 C24.2 ; C7.2 53.34,14.48 X1.2 ; C35.2 46.43,40.89 C36.2 46.2,39.64 U1.94 ; U1.85 50.7,39.51 C30.2
  vias: v1(4.54,45.72) v1(4.54,44.96) v1(4.54,44.2) v1(5.3,55.88) v1(5.3,50.8) v1(5.3,40.64) v1(5.3,25.4) v1(6.06,45.72) v1(6.06,44.96) v1(6.06,44.2) v1(10.38,60.96) v1(10.38,50.8) v1(10.38,40.64) v1(10.38,29.46) v1(10.38,25.4) v1(10.38,20.32) v1(10.38,15.24) v1(13.17,22.61) v1(13.43,58.67) v1(13.43,48.51) v1(13.68,54.61) v1(13.68,44.45) v1(13.81,36.32) v1(13.9,28.43) v1(13.93,25.91) v1(14.19,51.82) v1(14.19,41.66) v1(15.46,60.96) v1(15.46,50.8) v1(15.46,10.16) v1(15.71,53.59) v1(15.71,19.56) v1(16.22,30.23) v1(16.73,43.43) v1(17.24,24.64) v1(19.01,28.96) v1(19.53,55.22) v1(19.52,42.93) v1(19.52,21.08) v1(20.16,30.35) v1(20.54,60.96) v1(20.54,15.24) v1(20.54,10.16) v1(21.55,21.08) v1(23.33,18.03) v1(24.6,38.35) v1(25.62,60.96) v1(25.62,50.8) v1(25.62,31.5) v1(25.62,15.24) v1(25.62,10.16) v1(27.65,58.67) v1(27.65,48.51) v1(27.9,54.61) v1(28.16,44.45) v1(28.41,51.82) v1(28.41,41.66) v1(28.41,33.78) v1(28.67,27.69) v1(29.43,39.37) v1(30.18,57.96) v1(30.44,26.92) v1(30.7,60.96) v1(30.7,50.8) v1(30.7,40.64) v1(30.7,38.73) v1(30.95,54.36) v1(30.95,43.43) v1(30.95,21.59) v1(31.21,48.51) v1(31.84,31.37) v1(32.98,19.05) v1(33.24,10.41) v1(33.49,26.42) v1(35.52,42.93) v1(35.52,39.37) v1(35.78,60.96) v1(35.78,53.85) v1(35.78,10.41) v1(38.83,25.91) v1(38.83,10.41) v1(38.95,29.08) v1(39.08,43.81) v1(39.84,33.78) v1(39.97,29.08) v1(40.35,42.16) v1(40.6,11.94) v1(40.6,10.67) v1(40.6,9.4) v1(40.86,60.96) v1(40.86,55.88) v1(40.98,44.96) v1(41.37,25.15) v1(41.37,8.38) v1(42.13,54.86) v1(42.13,39.88) v1(42.13,10.92) v1(42.64,9.65) v1(43.02,19.3) v1(44.29,9.65) v1(44.54,39.88) v1(45.05,18.67) v1(45.18,50.04) v1(45.18,49.02) v1(45.18,48.01) v1(45.2,34.32) v1(45.81,9.65) v1(45.94,44.96) v1(46.45,14.73) v1(46.7,50.04) v1(46.7,49.02) v1(46.7,48.01) v1(46.73,10.66) v1(46.95,23.37) v1(46.95,13.97) v1(47.01,36.72) v1(47.21,40.89) v1(47.21,39.88) v1(47.21,21.59) v1(47.21,18.8) v1(47.33,56.26) v1(47.33,13.08) v1(47.33,11.81) v1(47.97,50.42) v1(47.97,49.28) v1(47.97,48.26) v1(48.1,56.26) v1(48.48,61.98) v1(48.48,60.96) v1(48.48,60.07) v1(48.86,56.26) v1(49.37,9.65) v1(49.49,49.53) v1(49.49,48.51) v1(49.49,47.5) v1(49.48,15.37) v1(49.49,14.73) v1(49.75,56.26) v1(49.75,14.1) v1(49.75,13.46) v1(49.75,12.83) v1(49.75,12.19) v1(49.75,11.56) v1(49.75,10.92) v1(50,61.98) v1(50,60.96) v1(50,60.07) v1(50.26,41.66) v1(50.26,36.7) v1(50.51,44.7) v1(50.51,18.54) v1(50.76,21.08) v1(51.02,49.53) v1(51.02,48.51) v1(51.02,47.5) v1(51.02,30.48) v1(51.02,22.61) v1(51.53,61.47) v1(51.78,55.5) v1(52.16,57.02) v1(52.29,66.42) v1(52.54,27.69) v1(52.8,34.04) v1(52.92,39.62) v1(53.05,63.75) v1(53.05,62.99) v1(53.05,61.98) v1(53.05,57.02) v1(53.43,66.42) v1(53.43,42.42) v1(53.43,41.66) v1(53.43,40.89) v1(53.43,40.13) v1(53.68,43.18) v1(53.94,18.29) v1(53.94,13.46) v1(53.94,12.83) v1(53.94,12.2) v1(54.19,43.81) v1(54.57,66.42) v1(54.57,65.53) v1(54.83,44.32) v1(55.08,11.56) v1(55.59,42.04) v1(55.59,41.27) v1(56.1,42.8) v1(56.1,35.56) v1(56.1,30.48) v1(56.1,23.11) v1(56.48,60.96) v1(56.86,42.42) v1(57.11,19.56) v1(57.24,30.86) v1(57.24,25.91) v1(57.62,40.39) v1(57.62,15.49) v1(57.75,57.28) v1(57.75,42.42) v1(57.75,14.61) v1(58.64,57.28) v1(58.64,42.42) v1(59.4,40.39) v1(59.53,42.42) v1(59.78,38.23) v1(60.03,41.66) v1(60.16,35.18) v1(60.16,29.72) v1(60.16,18.29) v1(60.16,14.73) v1(60.67,37.47) v1(60.92,40.13) v1(61.05,25.65) v1(62.96,36.32) v1(63.08,23.88) v1(64.48,17.14) v1(64.48,15.88) v1(64.73,58.8) v1(65.5,58.8) v1(66.26,58.8) v1(67.02,58.8) v1(66.97,35.69) v1(66.97,33.78) v1(66.97,31.88) v1(66.97,30.1) v1(67.27,48.89)
VBAT_{SENSE}: length 50.6
  Top w0.152: U1.26 51.7,18.2 52.29,18.8 v1(52.29,21.59) ; C19.1 R27.1 58.62,56.37 R15.2 v1(59.64,57.39) 59.65,57.4
  Bottom w0.152: v1(59.64,57.39) 59.65,57.37 59.65,52.07 51.02,43.43 51.02,33.27 55.59,28.7 55.59,24.89 v1(52.29,21.59)
